# KiCad board SF_01 Compute Board.kicad_pcb (continued)
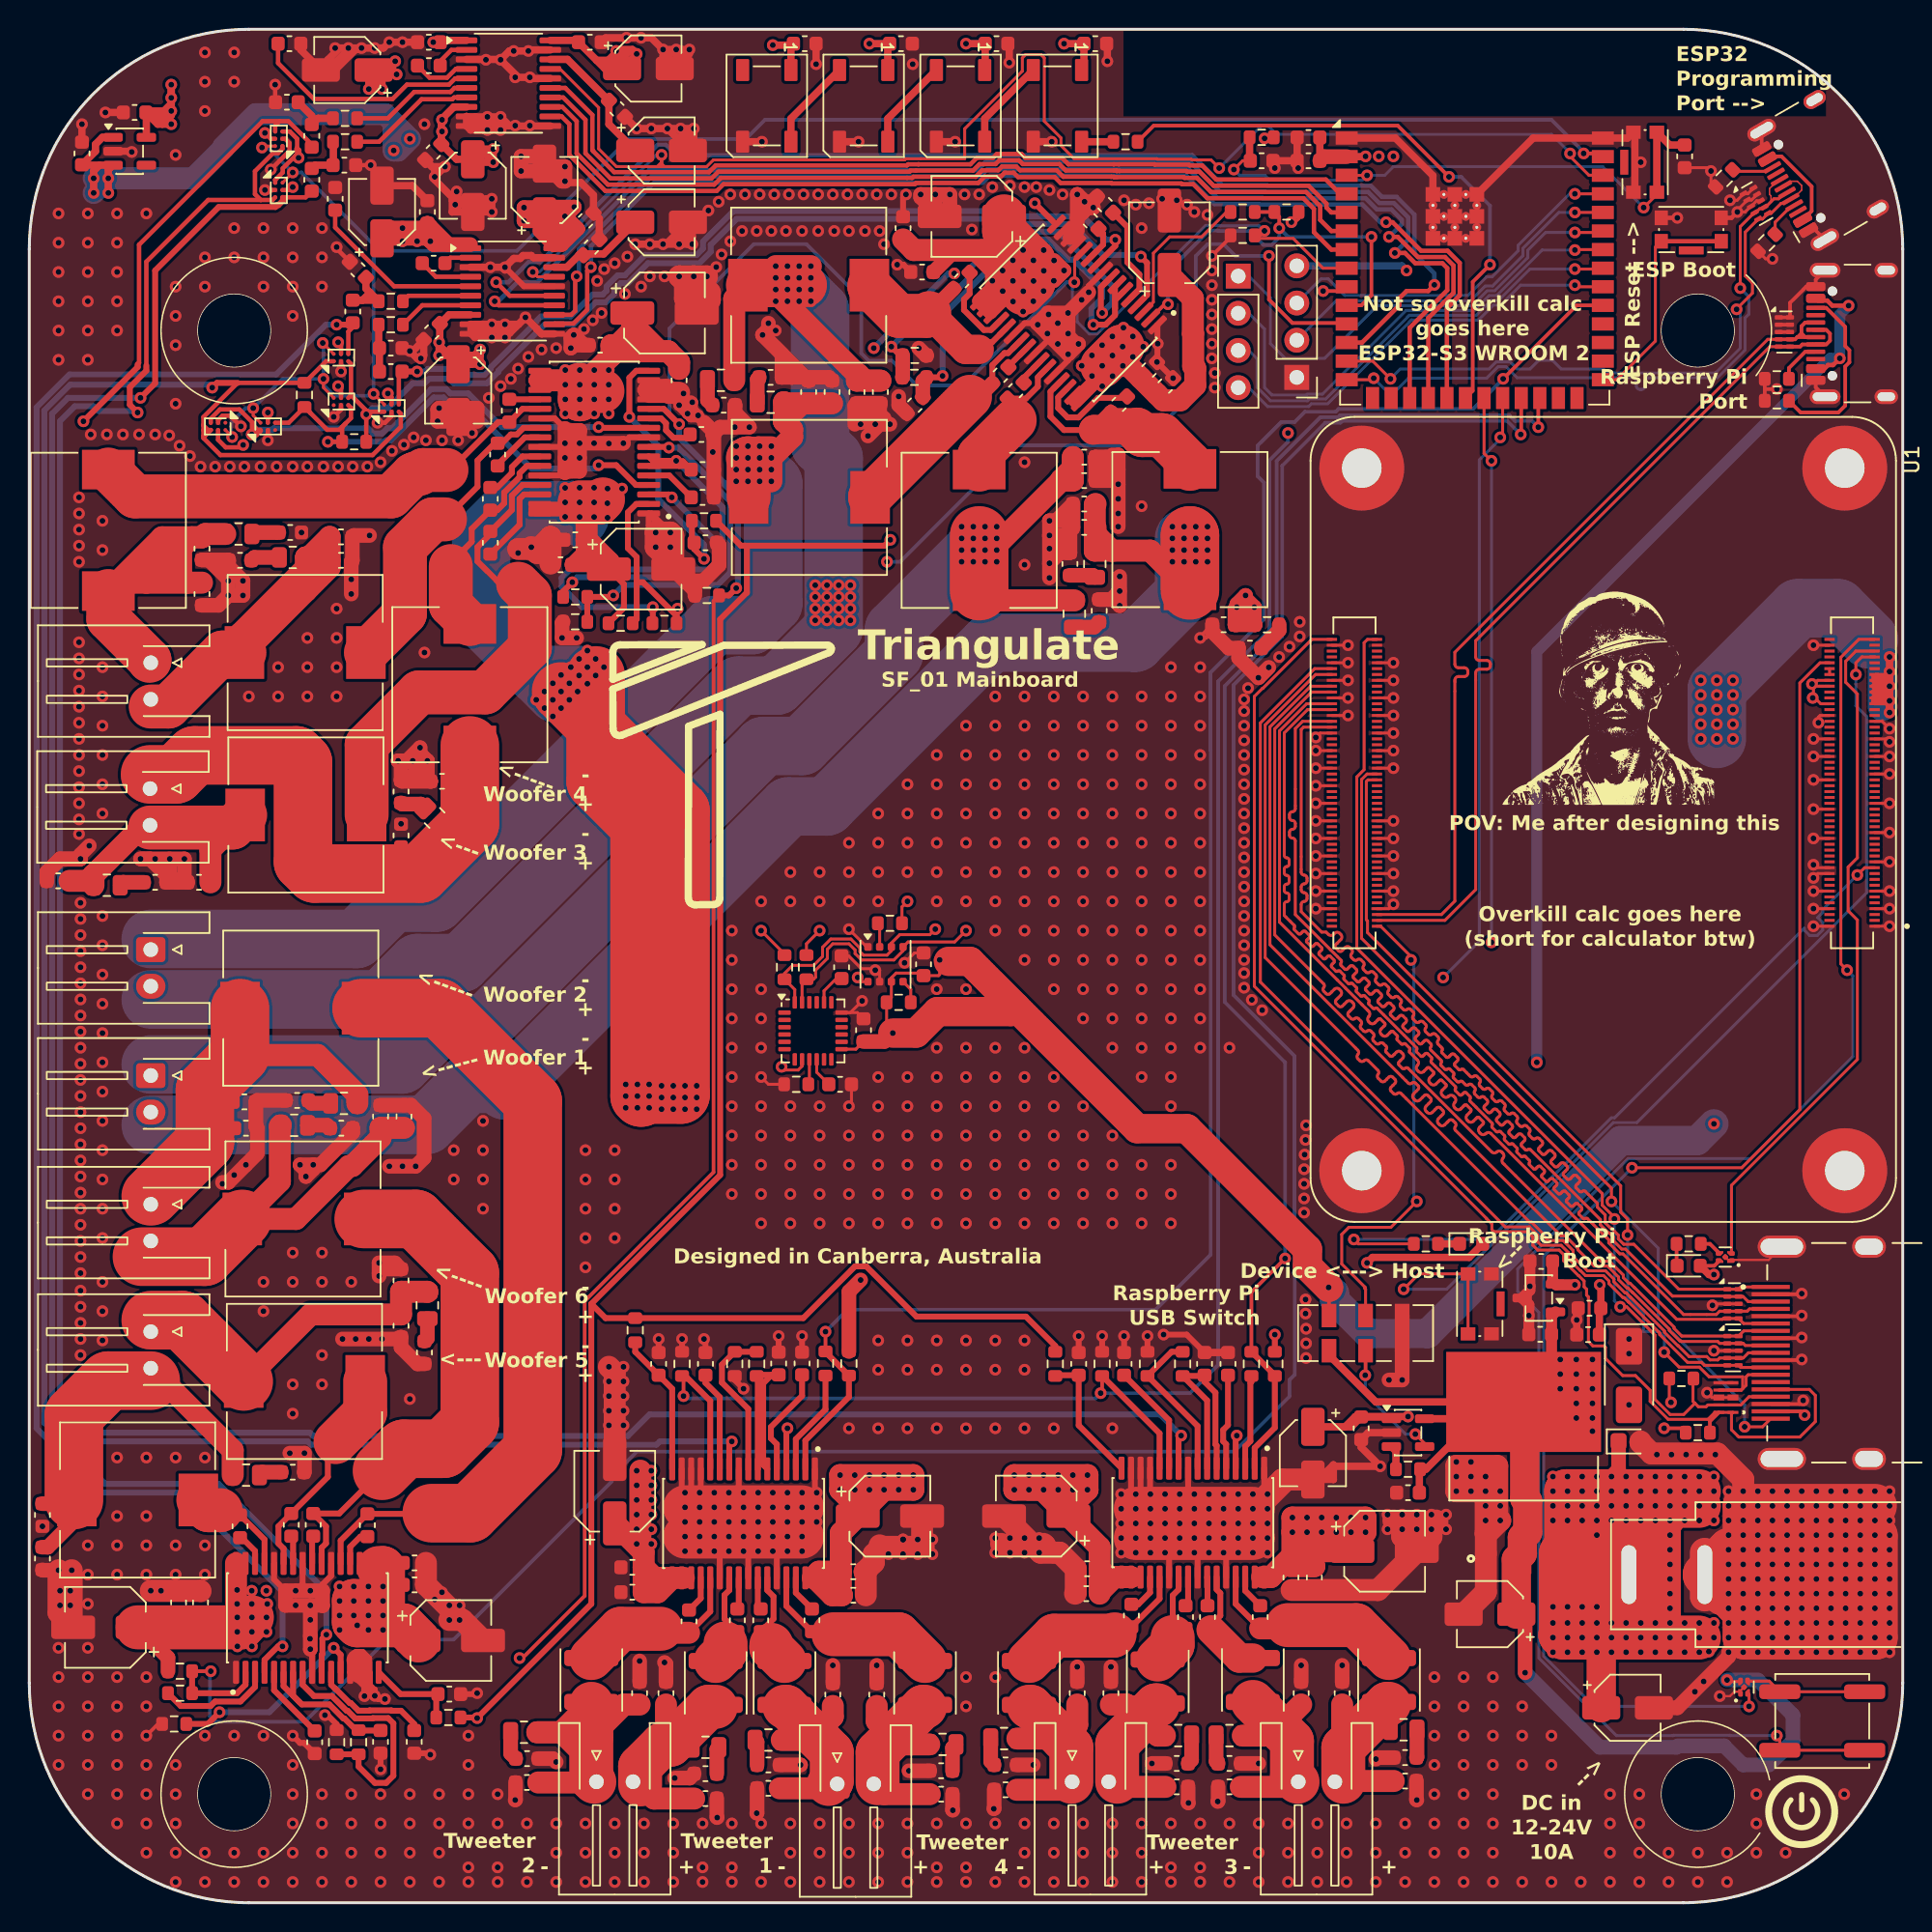
[diagram p0: board, top side]
## Routing (per net, layer and track width the routed paths; a pad name or vN(x,y) marks a point on that pad's centre or on a via; arc(x,y) is an arc through that point) (continued)
Net-(D3-K): length 1.5
  Top w0.5: R5.2 D3.1
Net-(D4-K): length 1.5
  Top w0.25: D4.1 112.55,43.55 R6.2
Net-(D5-DOUT): length 6.3
  Top w0.5: D6.4 58.66,121.9 D5.2
Net-(D6-DOUT): length 6.3
  Top w0.5: D6.2 52.04,121.9 D7.4
Net-(J1-CEC): length 61.7
  Top w0.2: CR1.7 CR1.4 116.97,35.02 117.3,35.36 117.3,35.93 117.44,36.07 J1.13 ; 115.46,35.02 116.96,35.02 117.07,35.13 117.07,35.93 114.77,35.93 114.11,36.59 112.72,36.59 v1(111.7,37.62) ; v1(109.2,45.62) 109.2,46.71 108.73,47.18 108.73,48.99 91.43,66.29 91.43,67.09 91.35,67.16 91.35,76.61 91.46,76.72 U1.151
  Bottom w0.2: v1(109.2,45.62) 109.2,41.39 110.29,40.3 110.29,39.03 111.34,39.03 111.71,38.66 111.71,37.63 v1(111.7,37.62)
Net-(J1-HOT_PLUG_DETECT): length 58.3
  Top w0.2: v1(108.1,47.92) 108.1,48.82 91.03,65.89 91.03,76.74 91.4,77.12 U1.153 ; J1.19 118.42,32.52 v1(117.2,32.52)
  Bottom w0.2: v1(108.1,47.92) 111.3,44.72 111.3,39.92 117.2,34.02 v1(117.2,32.52)
Net-(J1-SCL): length 90.1
  Top w0.2: U1.200 87.63,86.32 84.28,82.97 84.25,82.97 83.7,82.42 83.7,62.62 99.56,46.76 99.56,46.75 99.93,46.38 99.93,45.99 100.07,45.85 102.36,45.85 102.73,45.48 102.73,44.92 103.06,44.59 104.52,44.59 104.82,44.29 104.82,43.87 105.85,42.85 105.86,42.85 106.23,42.48 106.23,42.09 106.4,41.92 106.4,41.52 106.53,41.39 106.53,41.14 106.57,41.09 106.57,40.14 106.53,40.09 106.53,38.34 106.83,38.04 107.59,38.04 107.69,37.94 107.69,37.19 108.87,36.02 109.73,36.02 110.74,35.01 110.74,34.26 111.97,33.03 114.7,33.03 115.17,33.5 CR1.10 CR1.1 116.3,33.4 116.3,32.32 116.8,31.82 120.97,31.82 122.03,32.87 122.03,34.66 121.62,35.07 J1.15
  Top w0.25: CR1.10 114.82,32.89 R1.1
Net-(J1-SDA): length 72.4
  Top w0.2: v1(108.3,46.72) 108.3,46.83 107.47,47.66 107.47,48.45 90.7,65.22 90.7,76.92 91.2,77.42 91.2,86.09 91.43,86.32 U1.199 ; 113.8,34.12 114.04,33.89 114.56,33.89 114.68,34.01 CR1.9 CR1.2 116.94,34.01 117.5,34.57 J1.16 ; 113.8,34.12 113.67,34.26 113.67,35.79 R2.1 ; 113.8,34.12 113.04,33.36 112.11,33.36 111.07,34.39 111.07,38.78 109.14,40.72 v1(108.7,40.72)
  Bottom w0.2: v1(108.3,46.72) 108.3,41.12 v1(108.7,40.72)
Net-(J3-Pin_2): length 24.8
  Top w0.2: U4.36 v1(105.6,115.49)
  Bottom w0.2: J3.2 89.29,109.44 98.46,109.44 99.48,110.46 99.98,110.46 102.06,112.54 102.06,113.04 104.51,115.49 v1(105.6,115.49)
Net-(J3-Pin_3): length 25.2
  Top w0.2: v1(105.6,116.76) U4.37
  Bottom w0.2: J3.3 88.25,110.95 88.74,110.95 89.87,109.82 98.3,109.82 99.57,111.09 99.94,111.09 101.73,112.87 101.73,113.25 105.24,116.76 v1(105.6,116.76)
Net-(J4-Pin_1): length 33.3
  Top w0.2: U4.35 107.41,114.12 v1(105.6,114.12)
  Bottom w0.2: v1(105.6,114.12) 103.6,114.12 102.38,112.9 102.38,112.4 100.11,110.13 99.62,110.13 98.6,109.12 92.1,109.12 88.5,105.52 85.8,105.52 84.8,106.52 84.8,109.66 82.6,111.86
Net-(J4-Pin_2): length 34
  Top w0.2: U4.34 105.63,112.95 v1(105.6,112.92)
  Bottom w0.2: 82.6,109.32 84.4,107.52 84.4,103.52 84.9,103.02 87.28,103.02 87.33,103.07 88.35,103.07 94.07,108.79 98.74,108.79 99.75,109.81 100.25,109.81 103.36,112.92 v1(105.6,112.92)
Net-(J4-Pin_3): length 31.5
  Top w0.2: v1(105.6,111.62) 107.45,111.62 U4.33
  Bottom w0.2: v1(105.6,111.62) 102.52,111.62 100.39,109.48 99.89,109.48 98.87,108.46 94.29,108.46 88.57,102.74 87.46,102.74 87.34,102.62 84.8,102.62 83.89,103.53 83.89,105.49 82.6,106.78
Net-(J4-Pin_4): length 29.2
  Top w0.2: U4.32 105.71,110.41 v1(105.6,110.52)
  Bottom w0.2: v1(105.6,110.52) 101.89,110.52 100.52,109.15 100.03,109.15 99.02,108.14 94.43,108.14 88.71,102.41 87.6,102.41 87.41,102.22 84.61,102.22 82.6,104.24
Net-(J5-Pin_1): length 169.9
  Top w1: 65.54,88.98 L2.2
  Top w1.5: R22.2 65.54,88.98 L2.2 64.9,91.56 70.5,97.17 ; 70.5,97.17 70.5,97.22 71.3,98.02 C62.1 C60.1 70.5,97.17
  Top w4: L2.2 64.9,93.42
  In2.Cu w4: 8.3,57.13 25.36,57.13 28.26,60.04 31.07,60.04 48.74,77.71 51.34,77.71 59.01,85.38 59.01,88.31 63.12,92.42 v1(64.5,92.42)
  Bottom w4: v1(64.5,92.42) 59.09,87 59.09,85.35 52.77,79.03 50.17,79.03 31.21,60.07 28.24,60.07 25.44,57.27 8.3,57.27
  vias: v1(63.7,94.02) v1(63.7,93.22) v1(63.7,92.42) v1(63.7,91.62) v1(64.5,94.02) v1(64.5,93.22) v1(64.5,91.62) v1(65.3,94.02) v1(65.3,93.22) v1(65.3,92.42) v1(65.3,91.62) v1(66.1,94.02) v1(66.1,93.22) v1(66.1,92.42) v1(66.1,91.62)
Net-(J5-Pin_2): length 196.6
  Top w1.5: L1.2 76.59,92.38 73.96,92.38 ; 73.96,92.38 R21.1 72.8,95.52 C61.2 ; 73.96,92.38 72.85,93.49 C59.2 ; 73.96,92.38 74.1,92.38
  Top w4: L1.2 79.3,93.42
  In2.Cu w4: 8.3,53.04 27.05,53.04 29.95,55.95 32.76,55.95 50.43,73.62 53.03,73.62 63.1,83.69 63.1,86.12 73.42,86.12 73.45,86.09 75.55,86.09 77.03,87.57 77.03,89.75 v1(78.9,91.62) v1(78.9,92.42)
  Bottom w4: 8.3,53.14 27.15,53.14 29.95,55.95 32.05,55.95 32.48,55.51 51.88,74.9 54.48,74.9 65.66,86.09 75.55,86.09 78.9,89.44 v1(78.9,93.22)
  vias: v1(78.1,94.02) v1(78.1,93.22) v1(78.1,92.42) v1(78.1,91.62) v1(78.9,94.02) v1(79.7,94.02) v1(79.7,93.22) v1(79.7,92.42) v1(79.7,91.62) v1(80.5,94.02) v1(80.5,93.22) v1(80.5,92.42) v1(80.5,91.62)
Net-(J6-Pin_1): length 139.8
  Top w1.5: 51.56,101.22 R23.1 51.64,102.44 C65.2 ; 51.56,101.22 52.12,100.66 52.12,100.14 v1(50.7,98.72) v1(50.7,97.12) ; 51.56,101.22 52.79,102.44 C67.2 ; 50.7,99.44 49.82,99.44 v1(49.1,98.72)
  Top w3: 49.1,98.69 49.13,98.69 49.15,98.67 L3.2
  In2.Cu w4: 8.3,65.78 22.43,65.78 24.87,68.22 27.68,68.22 46.75,87.29 49.35,87.29 50.83,88.77 50.83,96.19 v1(49.1,97.92)
  Bottom w4: 8.3,65.85 22.34,65.85 24.82,68.33 27.79,68.33 46.75,87.29 49.35,87.29 50.83,88.77 50.83,96.99 v1(49.9,97.92)
  vias: v1(48.3,99.52) v1(48.3,98.72) v1(48.3,97.92) v1(48.3,97.12) v1(49.1,99.52) v1(49.1,97.12) v1(49.9,99.52) v1(49.9,98.72) v1(49.9,97.12) v1(50.7,99.52) v1(50.7,97.92)
Net-(J6-Pin_2): length 176.1
  Top w1.5: R24.2 48.16,109.58 L4.2 50.48,110.52 56.55,104.44 ; v1(53.4,111.82) v1(51,111.82) ; 56.55,104.44 C66.1 C68.1 57.08,103.99 56.63,104.44 56.55,104.44
  Top w3: L4.2 53,110.52
  In2.Cu w4: 8.23,61.69 24.12,61.69 26.56,64.13 29.37,64.13 47.04,81.8 49.64,81.8 54.92,87.07 54.92,90.11 55.29,90.48 55.29,97.51
  Bottom w4: 8.3,61.72 24.05,61.72 26.53,64.2 29.5,64.2 48.46,83.16 51.06,83.16 54.96,87.06 54.96,98.7 54.03,99.62 54.03,108.79 v1(52.6,110.22)
  vias: v1(51,111.02) v1(51,110.22) v1(51,109.42) v1(51.8,111.82) v1(51.8,111.02) v1(51.8,110.22) v1(51.8,109.42) v1(52.6,111.82) v1(52.6,111.02) v1(52.6,109.42) v1(53.4,111.02) v1(53.4,110.22) v1(53.4,109.42) v1(53.7,90.02) v1(53.7,89.22) v1(53.7,88.42) v1(53.7,87.62) v1(54.5,90.02) v1(54.5,89.22) v1(54.5,88.42) v1(54.5,87.62) v1(55.3,90.02) v1(55.3,89.22) v1(55.3,88.42) v1(55.3,87.62) v1(56.1,90.02) v1(56.1,89.22) v1(56.1,88.42) v1(56.1,87.62)
Net-(J7-Pin_1): length 36.5
  Top w4: 8.25,77.09 10,77.09 11.3,78.39 18.23,78.39 18.7,77.92 18.7,71.12 19.5,70.32 26.7,70.32 30.1,73.72 L6.2
Net-(J7-Pin_2): length 20.2
  Top w1.5: 4.39,70.22 7.79,73.62 J7.2 ; 4.39,70.22 R31.1 ; 4.39,70.22 3.99,69.82 C92.2 ; L5.2 12.38,71.94 C88.2
  Top w3: L5.2 13.89,73.46 8.25,73.46
Net-(J8-Pin_1): length 29.9
  Top w1.5: 8,90.19 5.97,90.19 L8.2 9.08,93.29 C95.1 ; 8,90.19 10.8,90.19 ; 8,90.19 10.38,92.57 ; C91.1 10.8,90.19 ; 10.8,90.19 10.38,90.62 10.38,92.57 ; 10.38,92.57 10.46,92.65 ; 10.38,92.57 11.1,93.29 C95.1 ; R34.2 12.03,93.52 C95.1
  Top w3: L8.2 5.4,87.72 8.21,84.9 8.21,84.85
Net-(J8-Pin_2): length 31.5
  Top w1.5: C90.2 20.53,91.24 18.91,89.63 ; C90.2 C94.2 19.12,91.92 R33.1 ; C90.2 19.11,91.72 R33.1 ; R33.1 18.91,91.22 14.41,86.72 14.4,86.72 ; R33.1 18.91,89.63 ; 18.91,89.63 L7.2
  Top w3: 8.3,81.73 9.51,81.73 13.2,85.42 L7.2
Net-(J9-Pin_1): length 24.1
  Top w1.5: L10.2 19.22,40.19 C120.1 C116.1 27.19,41.74 R41.2
  Top w4: 8.3,39.8 10.47,39.8 L10.2
Net-(J9-Pin_2): length 28.5
  Top w1: C115.2 1.26,24.29 3.25,26.28 L9.2 3,27.27 C119.2
  Top w1.5: J9.2 13.9,30.92 R40.1
  Top w4: 8.3,35.67 5.4,35.67 3.05,33.32 3.05,27.52
Net-(J10-Pin_1): length 25.1
  Top w1.5: 14.4,57.92 19.7,57.92 22.41,55.21 R43.2
  Top w4: 8.3,48.27 12,51.97 12,55.52 14.4,57.92 L12.2
Net-(J10-Pin_2): length 29.4
  Top w1.5: R42.1 17.12,53.05 17.12,49.29 L11.2 18.22,46.72 21.85,50.34 22.07,50.34 24,52.27 C121.2 C117.2
  Top w4: 7.7,44.14 11.97,44.14 L11.2
Net-(J11-Pin_1): length 15.7
  Top w1.5: R52.2 53.3,11.12 54.9,12.72 C150.1 ; J11.1 54.9,7.82 C146.1
  Top w3: 54.62,8.12 54.83,8.32 54.83,10.29 51.73,13.39 51.6,13.39
Net-(J11-Pin_2): length 16
  Top w1.5: C149.2 57.9,12.42 59.5,10.82 R51.1 ; J11.2 58.4,7.42 C145.2
  Top w3: 61.2,13.39 61.07,13.39 57.96,10.28 57.96,8.17
Net-(J12-Pin_1): length 24.2
  Top w1.5: C148.1 40.62,13.54 38.4,11.32 ; L16.2 36.33,11.65 R54.2 36.37,11.65 38.75,9.27 J12.1 38.7,8.22 C152.1
  Top w3: 38.6,8.27 38.4,8.47 38.4,13.59
Net-(J12-Pin_2): length 15
  Top w1.5: C147.2 43.5,11.12 43.82,10.8 ; C151.2 42.7,7.12 41.73,8.08
  Top w3: 41.73,8.08 41.73,9.3 43.23,10.8 43.82,10.8 46.41,13.39 46.9,13.39
Net-(J13-Pin_1): length 15.7
  Top w1.5: 85.15,12.17 84.4,11.42 R62.2 ; C178.1 85.65,12.29 85.65,11.67 ; J13.1 86.35,7.92 C174.1
  Top w3: L18.2 86.27,11.04 86.27,8.64 86.65,8.27
Net-(J13-Pin_2): length 13.7
  Top w1.5: C177.2 89.7,10.67 89.78,10.59 ; C173.2 89.25,8.32 J13.2
  Top w3: 89.78,8.27 89.78,10.59 92.77,13.59 92.9,13.59
Net-(J14-Pin_1): length 16.3
  Top w1.5: C180.1 71.6,12.17 70.62,11.19 70.6,11.22 R64.2 ; J14.1 70.7,7.72 C176.1
  Top w3: 68.3,13.39 68.43,13.39 71.2,10.62 71.2,8.27
Net-(J14-Pin_2): length 15
  Top w1.5: J14.2 74.1,7.92 C175.2 ; C179.2 74.97,13.54 77.1,11.42 R63.1
  Top w3: 74.33,8.27 74.33,10.84 76.97,13.49 77.1,13.49
Net-(J15-CC1): length 3
  Top w0.25: R3.2 120.22,104.85 121.34,105.97 J15.A5
Net-(J15-CC2): length 12.5
  Top w0.25: J15.B5 122.77,108.97 124.07,107.67 124.07,106.36 124.35,106.07 124.35,105.25 124.07,104.96 124.07,102.29 123.6,101.82 121.03,101.82 R65.2
Net-(J16-CC1): length 2
  Top w0.2: R7.2 119.28,114.82 120.13,115.67
Net-(J16-CC2): length 2.3
  Top w0.2: R66.2 116.49,118.29 118.66,118.29
Net-(J16-VBUS-PadA4): length 6.5
  Top w0.25: J16.A4 121.78,115.58 121.78,117.26 119.72,119.32 118.96,119.32 J16.A9
Net-(R6-Pad1): length 1.5
  Top w0.25: 115.45,44.4 114.82,45.02 R6.1
Net-(SW1-Pad1): length 8.3
  Top w0.2: SW1.1 SW1.1 118.87,15.14 117.43,15.14
Net-(SW6A-B): length 32.4
  Top w0.2: 91.25,42.07 89.67,43.65 89.67,45.66 90.16,46.15 93.03,46.15 v1(94.8,47.92) ; 91.25,42.07 91.28,42.04 ; 91.25,42.07 91.25,41.97 91.3,41.92 SW6.2 ; U1.101 92.33,66.72 94.4,64.65 v1(94.4,64.42)
  Bottom w0.2: v1(94.8,47.92) 94.6,48.12 94.6,64.22 v1(94.4,64.42)
Net-(SW6B-B): length 8.6
  Top w0.2: v1(94.7,32.02) 95.34,31.38 U27.4
  Top w0.25: SW6.5 91.3,36.06 v1(91.28,36.04)
  Bottom w0.2: v1(94.7,32.02) 94.03,32.02 91.28,34.77 v1(91.28,36.04)
Net-(U1A-GLOBAL_EN): length 111.9
  Top w0.2: U1.99 125,86.32 123.77,85.09 123.77,64.15 v1(124.2,63.72) ; SW1.2 SW1.2 119.6,11.22 v1(119.4,11.42)
  Bottom w0.2: v1(119.4,11.42) 116.23,11.42 116.2,11.44 112.33,11.44 112.3,11.42 108.45,11.42 103.14,16.72 103.14,40.33 101.69,41.77 101.69,43.3 109.24,50.85 117.63,50.85 124.6,57.82 124.6,63.32 v1(124.2,63.72)
Net-(U1A-PI_~{LED}_ACTIVITY): length 51.9
  Top w0.2: R5.1 90.8,45.02 v1(90.5,45.32) ; v1(124.9,70.22) 125.4,70.72 U1.21
  Bottom w0.2: v1(124.9,70.22) 122.53,67.85 122.53,67.66 122.19,67.32 122.53,66.98 122.53,66.46 122.16,66.09 121.64,66.09 121.27,66.46 121.27,66.59 108.31,53.63 108.09,53.63 99.78,45.32 v1(90.5,45.32)
Net-(U1A-RUN_PG): length 97.1
  Top w0.2: U1.92 122.35,84.72 120.97,83.34 120.97,54.19 117,50.22 v1(109.5,50.22) ; v1(117.5,13.42) 117.5,14.24 117.42,14.32
  Bottom w0.2: v1(117.5,13.42) 106.91,13.42 103.47,16.86 103.47,44.19 v1(109.5,50.22)
Net-(U1A-~{RPIBOOT}): length 69.3
  Top w0.2: v1(93.9,41.92) 94.95,42.97 SW2.2 SW2.2 ; U1.93 125.2,85.12 124.8,84.72 v1(124.8,83.92)
  Bottom w0.2: v1(124.8,83.92) 124.8,81.78 125.53,81.05 125.53,68.99 109.84,53.3 108.22,53.3 96.84,41.92 v1(93.9,41.92)
Net-(U4-EN): length 42
  Top w0.2: U4.3 90.02,118.02 v1(91.4,118.02) ; SW4.2 111.2,116.72 v1(110.3,115.82) ; v1(82.3,118.42) 82.9,119.02 C8.2
  Top w0.5: SW4.2 SW4.2 112.07,120.09 C9.1 ; C8.2 83.38,119.07 R4.2
  Bottom w0.2: v1(82.3,118.42) 82.7,118.02 84.43,118.02 84.76,117.69 91.07,117.69 v1(91.4,118.02) 92.6,118.02 93.2,118.62 107.5,118.62 v1(110.3,115.82)
Net-(U4-IO0): length 15.8
  Top w0.2: SW3.1 111.1,113.12 111.1,106.7 108.46,104.06 U4.27
  Top w0.3: SW3.1 SW3.1
Net-(U4-IO4): length 59.8
  Top w0.3: U4.4 89.56,116.76 88.58,117.74 81.09,117.74 80.13,118.7 79.29,118.7 79.24,118.75 76.92,118.75 76.89,118.77 71,118.77 70.56,119.22 68.05,119.22 67.79,119.48 66.1,119.48 65.84,119.22 64.74,119.22 64.3,118.77 60.76,118.77 60.05,118.77 59.97,118.7 46.9,118.7 46.44,118.24 39.96,118.24 38.52,119.68 38.52,119.69 38.47,119.74 38.47,122.14 36.62,123.99 35.6,123.99
Net-(U4-IO5): length 60.2
  Top w0.3: U5.14 36.47,123.34 38,121.82 38,119.52 39.71,117.81 46.62,117.81 47.08,118.27 60.15,118.27 60.22,118.35 64.48,118.35 64.92,118.79 66.02,118.79 66.28,119.05 67.62,119.05 67.88,118.79 70.38,118.79 70.82,118.35 74.28,118.35 74.3,118.32 74.48,118.32 79.06,118.32 79.11,118.27 79.95,118.27 80.91,117.31 87.41,117.31 88.63,116.09 88.63,115.82 88.96,115.49 U4.5
Net-(U4-IO6): length 60.8
  Top w0.3: U5.13 36.42,122.69 37.4,121.72 37.4,119.52 39.53,117.39 46.79,117.39 47.25,117.84 59.97,117.84 60.32,117.84 60.4,117.92 64.66,117.92 65.1,118.36 66.2,118.36 66.46,118.62 67.44,118.62 67.7,118.36 70.2,118.36 70.64,117.92 73.92,117.92 74.1,117.92 74.13,117.89 78.88,117.89 78.93,117.84 79.78,117.84 80.74,116.88 87.23,116.88 88.2,115.91 88.2,114.98 88.96,114.22 U4.6
Net-(U4-IO7): length 61.4
  Top w0.3: U4.7 88.96,112.95 87.77,114.13 87.77,115.73 87.04,116.46 80.49,116.46 79.53,117.42 78.76,117.42 78.71,117.47 73.95,117.47 73.92,117.49 70.47,117.49 70.06,117.9 67.56,117.9 67.26,118.2 66.64,118.2 66.37,117.94 65.27,117.94 64.83,117.49 60.58,117.49 60.5,117.42 47.43,117.42 46.97,116.96 39.36,116.96 36.9,119.42 36.9,121.52 36.38,122.04 U5.12
Net-(U4-IO12): length 41.1
  Top w0.2: 98.12,102.34 U4.20
  Top w0.25: R14.2 76.82,121.42 93.5,121.42 v1(97,117.92) ; v1(99.8,111.92) 98.62,110.74 98.62,103.3 U4.20
  Bottom w0.25: v1(99.8,111.92) 99.8,115.95 97.83,117.92 v1(97,117.92)
Net-(U5-CAPM): length 3.9
  Top w0.3: U5.4 29.14,125.29 28.54,124.69 27.35,124.69 C20.2
Net-(U5-CAPP): length 2.6
  Top w0.3: C20.1 28.08,125.82 28.84,126.59 U5.2
  Top w0.5: C20.1 28.08,125.66
Net-(U5-LDOO): length 9.3
  Top w0.5: C22.1 39.6,121.51 C23.2 36.78,125.94 U5.18
Net-(U5-OUTL): length 8.3
  Top w0.3: 29.88,123.99 29.05,123.99 28.78,123.72 26.3,123.72 24.5,121.92 R8.1
Net-(U5-OUTR): length 8.7
  Top w0.3: U5.7 29.03,123.34 28.9,123.22 26.8,123.22 23.9,120.32 22.42,120.32
Net-(U5-VNEG): length 15.8
  Top w0.3: C21.1 17,125.69 19.45,123.24 24.82,123.24 25.8,124.22 28.67,124.22 29.1,124.64 U5.5
Net-(U14-BCK): length 82.3
  Top w0.3: v1(37.4,111.12) 37.3,111.02 37.3,108.76 37.04,108.49 U14.13 ; v1(92.9,113.82) 93.5,113.82 94.87,112.44 96.73,112.44 97.31,111.86 97.31,110 95.59,108.27 U4.18
  Bottom w0.3: v1(37.4,111.12) 37.55,111.27 37.55,112.98 42.52,117.95 64.96,117.95 65.44,118.43 79.22,118.43 79.22,118.42 81.16,116.48 84.22,116.48 84.25,116.46 91.31,116.46 92.06,115.7 93.06,115.7 93.78,114.98 93.78,114.7 v1(92.9,113.82)
Net-(U14-CAPM): length 3.7
  Top w0.3: C29.2 27.78,111.09 U14.4
Net-(U14-CAPP): length 1.9
  Top w0.3: C29.1 28.78,112.39 U14.2
Net-(U14-DIN): length 88.9
  Top w0.3: v1(93.3,112.72) 93.99,112.72 94.7,112.01 96.55,112.01 96.88,111.68 96.88,110.17 94.31,107.61 U4.17 ; U14.14 32.08,109.14 v1(31.8,109.42)
  Bottom w0.3: v1(31.8,109.42) 32.04,109.42 33.34,110.72 34.7,110.72 37.17,113.19 37.17,113.2 42.35,118.37 64.78,118.37 65.26,118.85 65.27,118.85 65.38,118.97 79.28,118.97 81.34,116.91 84.39,116.91 84.42,116.88 91.48,116.88 92.24,116.12 93.24,116.12 94.21,115.16 94.21,113.62 v1(93.3,112.72)
Net-(U14-LDOO): length 6.8
  Top w0.5: C33.1 41.4,114.81 39.24,112.65 37.93,112.65 C34.2 37.56,112.57 36.73,111.74 U14.18
Net-(U14-LRCK): length 86.2
  Top w0.3: v1(96,110.54) 95.58,110.12 94.1,110.12 93.6,109.62 93.6,109.14 91.06,106.6 U4.12 ; v1(31.9,110.72) 32.83,109.79 U14.15
  Bottom w0.3: v1(31.9,110.72) 32.74,110.72 34.12,112.1 34.92,112.1 42.92,120.1 43.48,120.1 44.18,119.4 79.46,119.4 81.52,117.34 84.57,117.34 84.6,117.31 91.66,117.31 92.42,116.55 93.42,116.55 94.63,115.34 94.63,112.68 96,111.32 v1(96,110.54)
Net-(U14-OUTL): length 4.8
  Top w0.3: U14.6 25.9,109.79 R10.1
Net-(U14-OUTR): length 5.2
  Top w0.3: R11.1 26.85,109.14 U14.7
Net-(U14-SCK): length 80.5
  Top w0.3: v1(38.36,111.75) 38.12,111.5 38.12,108.84 37.18,107.89 35.91,107.89 35.86,107.84 ; v1(92.7,114.82) 93.14,114.82 95.09,112.87 96.9,112.87 97.73,112.04 97.73,109.82 96.85,108.94 U4.19
  Bottom w0.3: v1(92.7,114.82) 92.3,114.82 91.09,116.03 84.07,116.03 84.04,116.06 80.98,116.06 79.04,118 65.62,118 65.14,117.52 42.7,117.52 38.38,113.2 38.38,111.76 v1(38.36,111.75)
Net-(U14-VNEG): length 12.1
  Top w0.3: C30.1 20.9,114.46 24.92,110.44 30.14,110.44
Net-(U14-XSMT): length 106.3
  Top w0.2: U14.17 34.72,111.09 v1(34.4,111.42) ; 42.9,118.62 43.2,118.62 ; 42.9,118.62 40.12,118.62 38.9,119.83 38.9,122.65 36.26,125.29 U5.17 ; 42.9,118.62 43.2,118.92 v1(43.2,119.42) ; 43.2,118.62 v1(43.2,119.42) ; 43.2,118.62 43.4,118.62 ; v1(43.2,119.42) 43.2,118.82 43.4,118.62 ; 43.4,118.62 46.28,118.62 46.74,119.07 59.81,119.07 59.89,119.15 63.91,119.15 63.91,121.2 67.85,125.14 67.85,126.04 68.07,126.27 69.12,126.27 69.35,126.04 69.35,121.72 70.49,120.58 70.49,120.06 71.39,119.15 77.05,119.15 77.07,119.12 79.39,119.12 79.44,119.07 80.74,119.07 v1(81.3,118.52) ; v1(105.27,119.51) 105.27,119.31 106.56,118.03 U4.38
  Bottom w0.2: v1(105.27,119.51) 105.27,119.54 104,120.82 85.23,120.82 84.67,121.38 84.16,121.38 v1(81.3,118.52) ; v1(43.2,119.42) 42.84,119.42 34.84,111.42 v1(34.4,111.42)
Net-(U17-BSNL): length 6
  Top w0.4: U17.20 65.7,107.45 65.23,107.45 63.86,108.82 63.86,109.54 64.25,109.93 C58.1
Net-(U17-BSNR): length 1.9
  Top w0.4: C56.1 67.94,104.18 U17.26
Net-(U17-BSPL): length 1.8
  Top w0.4: C57.1 66.9,104.97 U17.24
Net-(U17-BSPR): length 7.2
  Top w0.4: U17.30 70.3,102.86 70.3,102.12 70.94,101.48 71.69,101.48 73.02,102.82 74.9,102.82 C55.1
Net-(U17-FAULTZ): length 10.7
  Top w0.2: U17.3 76.8,109.36 76.8,112.7 77.92,113.82 80.1,113.82 81.8,115.52 R17.1
Net-(U17-GAIN/SLV): length 27.6
  Top w0.4: v1(58.9,106.32) 59.5,105.72 R19.2 ; U17.8 73.21,110.37 73.21,108.7 v1(73.3,108.62)
  Top w1: R19.2 59.68,104.24 R18.2
  Bottom w0.4: v1(73.3,108.62) 74,109.32 74,110.46 70.3,114.16 69.83,114.16 69.83,114.17 68.43,114.17 68.42,114.17 67.38,114.17 67.37,114.16 66.75,114.16 64.13,111.55 64.13,110.93 63.59,110.39 62.97,110.39 v1(58.9,106.32)
Net-(U17-GVDD): length 29.3
  Top w0.4: U17.7 74.18,110.42 74.18,108.92 ; 74.18,108.92 74.18,108.46 73.53,107.82 v1(72.7,107.82) ; 74.18,108.92 74.18,109.5 U17.6 ; v1(62.4,104.32) 62.3,104.22 R18.1
  Top w1: R18.1 61.05,103.96 C48.2
  Bottom w0.4: v1(62.4,104.32) 62.4,108.45 67.6,113.65 68.2,113.65 68.21,113.64 69.61,113.64 70.99,112.26 71.35,112.26 73.3,110.32 73.3,109.65 72.57,108.92 72.57,107.95 v1(72.7,107.82)
Net-(U17-LINN): length 2.5
  Top w0.4: U17.11 73.37,113.28 73.37,114.05 C46.2
Net-(U17-OUTNL): length 14.2
  Top w0.4: U17.21 65.78,106.62 64.9,106.62
  Top w1: C58.2 61.49,108.61
  Top w2: 61.49,108.61 63.97,106.13 64.9,106.13
  Top w3: L4.1 57.4,110.42 59.4,108.42 61.3,108.42 61.49,108.61
Net-(U17-OUTNR): length 8.3
  Top w0.4: C56.2 68.09,102.76 68.91,103.59 68.91,104.23 U17.27
  Top w3: L2.1 64.9,98.86 67.33,101.29
Net-(U17-OUTPL): length 15.6
  Top w0.4: C57.2 65.8,105.05 66.62,105.88 66.88,105.88 U17.23
  Top w1: C57.2 64.87,102.89 64.27,102.89
  Top w2: L3.1 57.45,96.27
  Top w3: L3.1 57.45,96.07 64.27,102.89
Net-(U17-OUTPR): length 20
  Top w0.4: 72.7,100.62 70.7,100.62 69.77,101.55 69.77,103.25 U17.29
  Top w1: C55.2 72.7,100.62 ; C55.2 75.07,100.65 75.67,100.65 ; C55.2 74.11,101.62 75.9,101.62
  Top w2: 72.7,100.62 72.73,100.65 75.67,100.65
  Top w3: 75.67,100.65 76.05,100.27 77.38,100.27 79.3,98.36 L1.1
Net-(U17-RINN): length 6.8
  Top w0.4: C44.2 75.02,114.5 75.02,112.08 75.85,111.26 75.85,110.25 U17.5
Net-(U18-BSNL): length 2.1
  Top w0.4: C87.1 U18.20
Net-(U18-BSNR): length 4.5
  Top w0.4: C85.1 31.97,96.69 32.97,97.69 32.97,98.09 33.7,98.82 U18.26
Net-(U18-BSPL): length 3.7
  Top w0.4: C86.1 32,98.26 33.86,100.12 U18.24
Net-(U18-BSPR): length 6.1
  Top w0.4: U18.30 33.8,96.22 33.5,95.92 33.5,94.14 C84.1
Net-(U18-FAULTZ): length 26.8
  Top w0.4: v1(42.6,88.52) 42.6,87.44 R30.1 ; v1(43.9,96.02) 43.7,96.22 U18.3
  Bottom w0.4: v1(43.9,96.02) 46.83,93.09 46.83,91.51 46.4,91.09 36.94,91.09 36.37,90.52 36.37,89.91 37.77,88.52 v1(42.6,88.52)
Net-(U18-GAIN/SLV): length 24.2
  Top w0.4: U18.8 43.65,99.47 v1(43.7,99.42) ; v1(39.9,89.32) 39.8,89.22 R28.2 R29.2
  Bottom w0.4: v1(43.7,99.42) 44.33,99.42 46.97,96.78 46.97,96.67 47.88,95.76 47.88,90.89 47.03,90.03 40.62,90.03 v1(39.9,89.32)
Net-(U18-GVDD): length 29
  Top w0.4: v1(37.1,90.22) 36.47,89.59 R28.1 ; 44.4,98.17 44.97,98.17 C75.2 44.66,98.49 42.65,98.49 U18.7 42.62,98.52 v1(44.2,98.52) 44.4,98.32 44.4,98.17 ; 44.4,98.17 U18.6
  Bottom w0.4: 44.4,98.32 47.36,95.36 47.36,91.26 46.65,90.56 37.44,90.56 v1(37.1,90.22)
Net-(U18-LINN): length 3.8
  Top w0.4: C77.2 44.92,100.09 44.01,100.09 43.5,100.6 43.5,101.08 43.17,101.42 U18.11
Net-(U18-OUTNL): length 32.7
  Top w0.4: U18.21 33.7,102.07 C87.2 32.04,101.17 28.76,97.89 28.5,97.89
  Top w3: L8.1 7.23,96.09 24.72,96.09 26.21,97.57 26.31,97.57 26.38,97.64 26.68,97.64 26.93,97.89 28.5,97.89
Net-(U18-OUTNR): length 13.4
  Top w0.4: 29.7,92.22 29.7,92.45 30.23,92.98 30.23,93.87 C85.2 31.97,95.14 32.45,95.61 32.45,96.35 33.5,97.41 33.5,97.67 34,98.17 U18.27
  Top w3: 28.8,91.32 28.8,88.67 L6.1
Net-(U18-OUTPL): length 21.9
  Top w0.4: U18.23 33.77,100.77 33.32,100.32 32.9,100.32 32.3,99.72 31.8,99.72 30.62,98.54 30.62,96.74 28.4,94.52
  Top w3: L7.1 25.67,88.09 25.67,92.61 27.57,94.52 28.4,94.52
Net-(U18-OUTPR): length 34.5
  Top w0.4: U18.29 33.7,96.87 32.97,96.14 32.97,95.16 C84.2 31.5,93.51 30.62,92.63 30.62,91.65 32.16,90.12 33.4,90.12
  Top w3: L5.1 23.05,79.12 26.63,82.69 31.15,82.69 34.2,85.75 34.2,89.32 33.4,90.12
Net-(U18-RINN): length 3.5
  Top w0.4: C76.2 43.72,97.52 U18.5
Net-(U18-SYNC): length 18.9
  Top w0.4: v1(41,101.52) 41,104.2 41.47,104.67 U18.16 ; v1(46.1,91.82) 45.42,92.49 C127.1 45.28,93.07 45.28,94.42
  Bottom w0.4: v1(41,101.52) 42.97,99.55 42.97,95.91 46.1,92.78 v1(46.1,91.82)
Net-(U19-BSNL): length 2.6
  Top w0.4: C114.1 22.62,25.02 21.92,24.32 U19.20
Net-(U19-BSNR): length 1.9
  Top w0.4: U19.26 18.03,24.92 C112.1
Net-(U19-BSPL): length 1.9
  Top w0.4: U19.24 19.33,24.97 C113.1
Net-(U19-BSPR): length 2.3
  Top w0.4: U19.30 15.42,24.03 14.52,24.94 C111.1
Net-(U19-FAULTZ): length 7.9
  Top w0.4: R39.1 10.35,13.44 12.39,13.44 12.7,13.75 14.43,13.75 15.42,14.74 U19.3
Net-(U19-GAIN/SLV): length 17.1
  Top w0.4: 21,10.14 22.5,10.14 22.5,9.3 23.61,8.19 24.39,8.19 24.88,8.68 24.88,12.26 24.52,12.62 23.48,12.62 23.46,12.59 22.27,12.59 21.75,13.12 21.68,13.12 20.67,14.12 19.45,14.12 18.67,14.9 U19.8
Net-(U19-GVDD): length 11.3
  Top w0.4: C102.2 22.53,11.77 R37.1 ; U19.6 17.38,14.79 18.53,13.64 ; 22.33,11.79 21.53,12.59 21.46,12.59 20.5,13.55 18.62,13.55 18.03,14.15 U19.7 ; 22.33,11.79 R37.1 ; 22.33,11.79 R37.1
Net-(U19-LINN): length 8.1
  Top w0.4: C105.2 26.3,12.22 25.4,13.12 24.76,13.12 24.73,13.14 23.27,13.14 23.24,13.12 22.49,13.12 21.97,13.65 21.89,13.65 20.94,14.6 20.92,14.6 20.62,14.9 U19.11
Net-(U19-OUTNL): length 55.4
  Top w0.4: U19.21 21.28,24.74 C114.2 27.45,26.57 27.5,26.62
  Top w4: L12.1 28.05,61.12 34.4,54.77 34.4,30.92 30.1,26.62 27.5,26.62
Net-(U19-OUTNR): length 15.8
  Top w0.4: U19.27 17.38,24.2 17.03,24.55 17.03,25.72 C112.2 20.4,29.09 20.4,31.65 20.99,32.24
  Top w3: 20.93,31.47 22.95,33.5 L10.1
Net-(U19-OUTPL): length 36.2
  Top w0.4: 24.1,29.52 21.17,26.59 C113.2 20.28,25.72 20.28,24.55 19.97,24.25 U19.23
  Top w4: L11.1 26.4,46.72 30.1,43.01 30.1,32.82 28.3,31.02 25.6,31.02 24.1,29.52
Net-(U19-OUTPR): length 5.8
  Top w0.4: U19.29 16.08,24.82 C111.2
  Top w3: L9.1 12.25,26.82 13.07,26.82
Net-(U19-RINN): length 5.2
  Top w0.4: 19.5,11.74 16.72,14.52 U19.5
Net-(U19-SYNC): length 6.3
  Top w0.4: U19.16 25.36,14.25 C128.1 27.81,14.14 R44.2
Net-(U20-BSNL): length 2.5
  Top w0.4: C144.1 45.88,20.8 U20.20
Net-(U20-BSNR): length 2.2
  Top w0.4: 49.78,22.2 49.78,20.27 C142.1
Net-(U20-BSPL): length 2.2
  Top w0.4: C143.1 48.47,20.17 U20.24
Net-(U20-BSPR): length 2.6
  Top w0.4: U20.30 52.38,21.17 C141.1
Net-(U20-FAULTZ): length 7.2
  Top w0.4: R50.1 54.4,33.7 52.38,31.68 U20.3
Net-(U20-GAIN/SLV): length 10.6
  Top w0.4: U20.8 49.12,33.74 47.33,35.54 47.33,36.77 48.2,37.64 49.7,37.64
Net-(U20-GVDD): length 15.2
  Top w0.4: U20.6 50.14,29.92 50.14,35.48 50.72,36.07 C131.2 49.78,36.07 R47.1 49.78,35.92 49.78,29.64
Net-(U20-LINN): length 6.8
  Top w0.4: U20.11 47.17,34.54 46.2,35.52 C134.2
Net-(U20-OUTNL): length 12
  Top w0.4: C144.2 46.53,19.9 U20.21
  Top w1.5: C144.2 43.42,18.45 43.15,18.72
  Top w3: L16.1 40.4,18.72 43.15,18.72
Net-(U20-OUTNR): length 5.7
  Top w0.4: C142.2 50.85,19.4 50.85,20.92 50.42,21.35 U20.27
  Top w3: 50.7,17.62 50.7,17.42 L14.1
